# Allegro board WNS_FDM_2V1-1221P2.brd (continued)
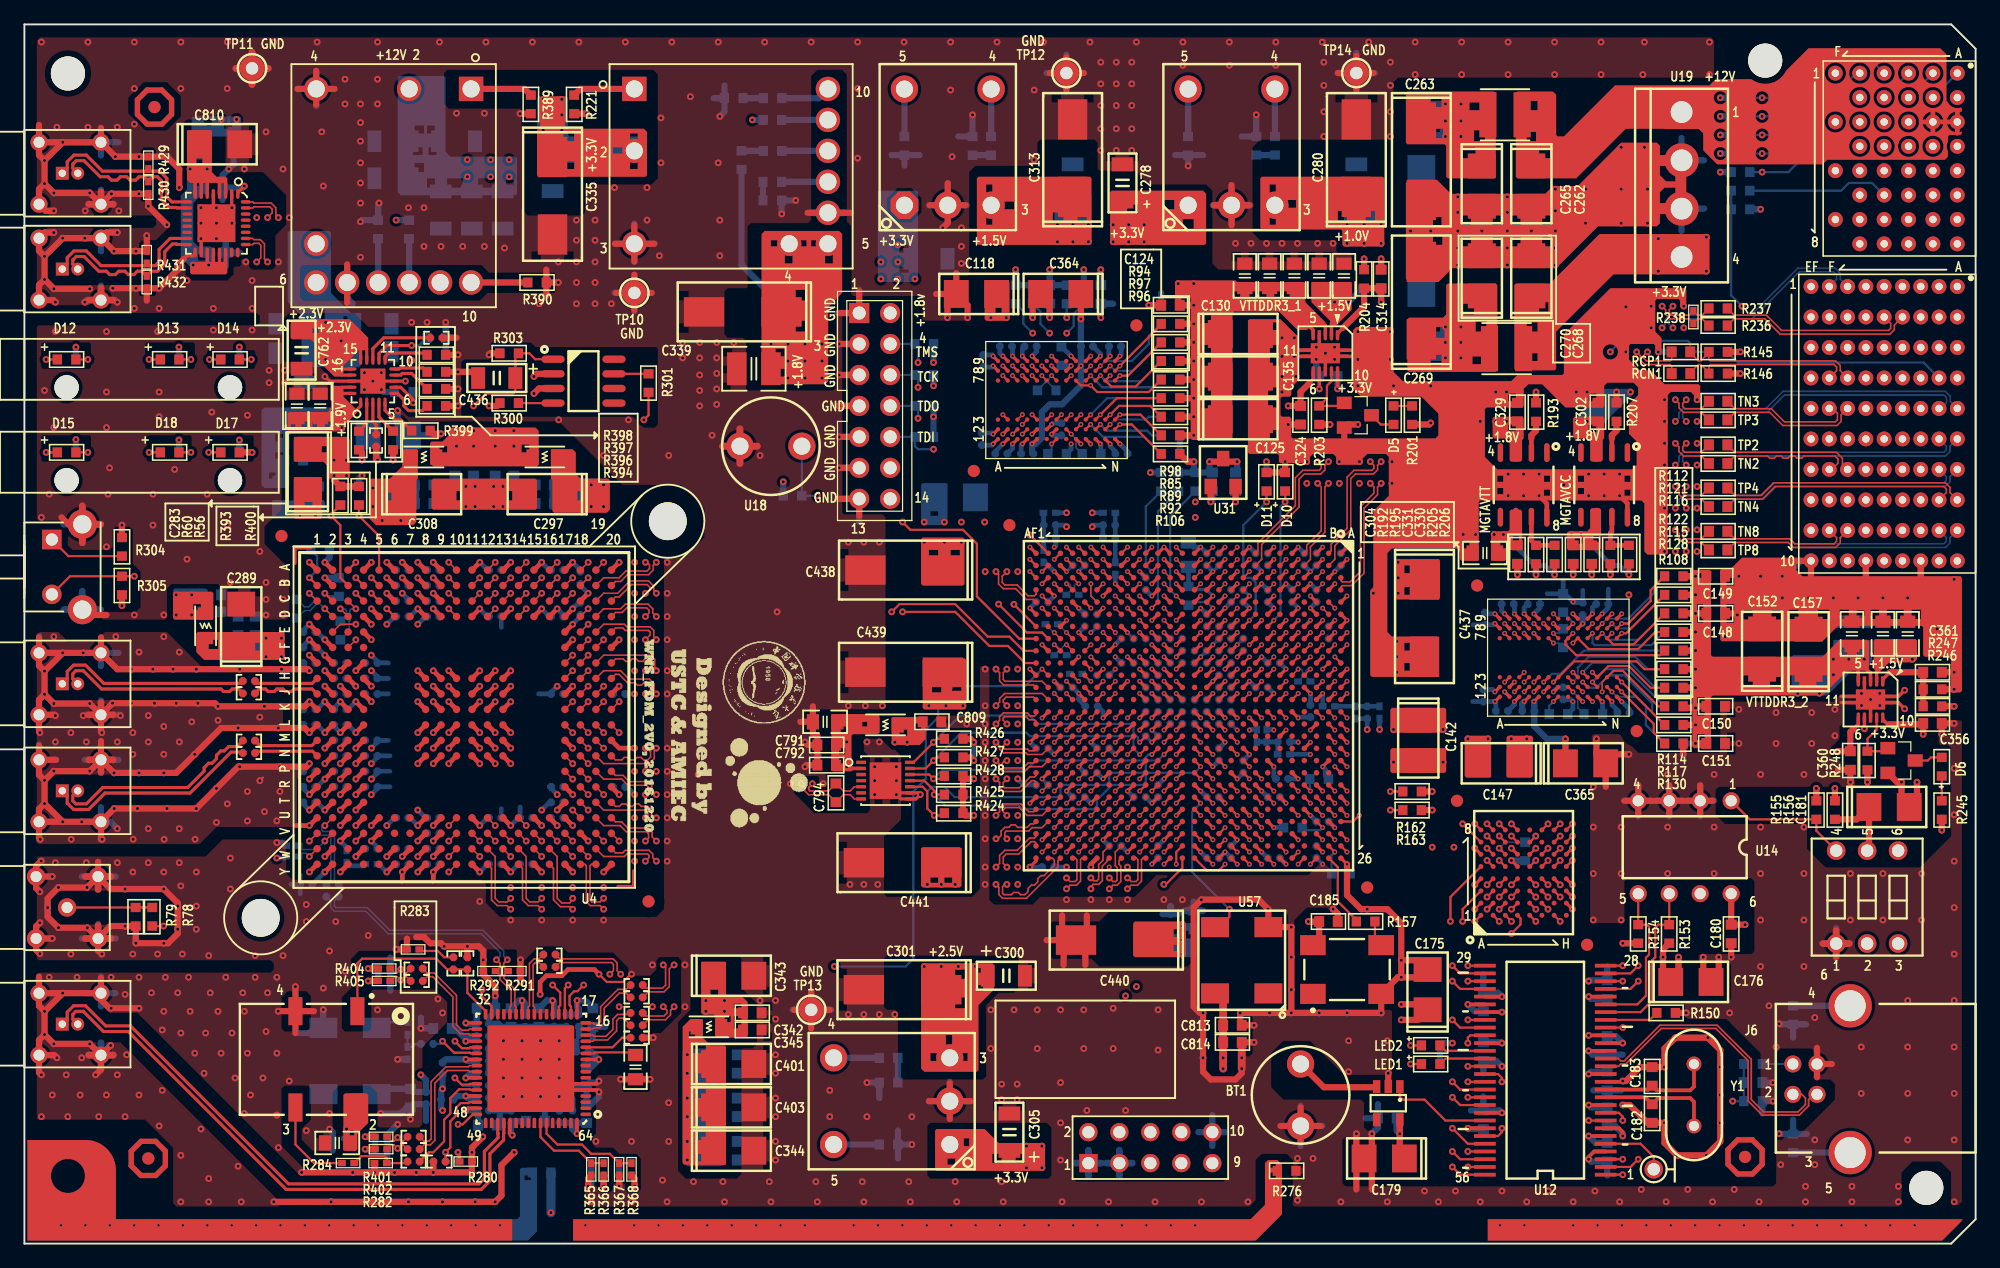
[diagram p0: board, top side]
## Routing (per net, layer and track width the routed paths; a pad name or vN(x,y) marks a point on that pad's centre or on a via; arc(x,y) is an arc through that point) (continued)
DQD_N3: length 73.5
  TOP w0.124: v2(90.45,29.99) 90.75,29.7 91.15,29.7 91.3,29.85 91.3,31.5 91.18,31.62 U15.V26 ; v2(39.88,28.32) 39.58,28.03 38.9,28.03 38.61,28.32 38.61,31.75 U4.W12
  ART03 w0.109: v2(90.45,29.99) 90.24,29.78 89.83,29.78 89.53,29.48 89.53,25.53 88.46,24.45 88.46,22.21 88.22,21.97 87.79,21.97 87.57,22.19 87.57,22.59 87.17,22.99 86.6,22.99 86.2,22.59 86.2,22.19 85.98,21.97 85.68,21.97 85.46,22.19 85.46,22.59 85.06,22.99 84.49,22.99 84.09,22.59 84.09,22.19 83.87,21.97 83.23,21.97 82.99,22.21 82.99,23.5 82.55,23.93 47.37,23.93 45.6,25.71 41.51,25.71 41.15,26.08 41.15,27.81 40.79,28.17 40.03,28.17 v2(39.88,28.32)
DQD_N4: length 73.7
  TOP w0.124: U15.W21 v1(89.45,36.12) ; U4.U12 v2(38.61,34.29)
  ART10 w0.102: v1(89.45,36.12) 89.81,36.12 89.92,36.02 89.92,35.82 89.81,35.72 89.12,35.72 88.85,35.45 88.85,32.87 88.8,32.82 88.8,32.79
  ART10 w0.109: v2(38.61,34.29) 38.61,33.76 38.72,33.66 39.11,33.66 39.4,33.36 39.4,32.8 39.66,32.54 40.74,32.54 41.78,31.5 41.78,26.35 42.35,25.78 42.87,25.78 43.05,25.97 43.05,26.35 43.37,26.67 44,26.67 44.32,26.35 44.32,25.97 44.51,25.78 45.47,25.78 45.66,25.97 45.66,26.35 45.98,26.67 46.61,26.67 46.93,26.35 46.93,25.97 47.12,25.78 87.06,25.78 87.32,26.04 87.32,26.79 87.12,26.99 86.67,26.99 86.3,27.36 86.3,31.12 86.87,31.68 88.01,31.68 88.8,32.47 88.8,32.79
DQD_N5: length 73.5
  TOP w0.124: 39.24,33.66 v2(39.88,33.02) ; U15.W24 v1(89.45,33.12)
  ART08 w0.102: v1(89.45,33.12) 89.45,33.55 89.55,33.65 89.75,33.65 89.85,33.55 89.85,32.86 89.8,32.8 89.8,32.78
  ART08 w0.109: 89.8,32.78 89.8,32.62 89.58,32.4 89.58,23.41 89.21,23.05 88,23.05 87.79,23.26 87.79,23.86 87.38,24.26 86.82,24.26 86.42,23.86 86.42,23.26 86.2,23.05 85.89,23.05 85.67,23.26 85.67,23.86 85.27,24.26 84.7,24.26 84.3,23.86 84.3,23.26 84.08,23.05 79.12,23.05 78.99,23.17 78.99,23.43 78.62,23.81 47.63,23.81 46.36,25.08 42.74,25.08 40.77,27.05 40.77,31.97 40.47,32.26 40.01,32.26 39.88,32.38 v2(39.88,33.02)
DQD_N6: length 73.7
  TOP w0.124: U4.W14 41.15,31.75 41.15,28.32 41.44,28.03 42.12,28.03 v2(42.42,28.32) ; U15.V22 v1(90.45,35.12)
  ART08 w0.102: 88.8,32.66 88.8,32.69 88.85,32.74 88.85,34.38 89.2,34.72 90.63,34.72 90.73,34.82 90.73,35.02 90.63,35.12 v1(90.45,35.12)
  ART08 w0.109: 88.8,32.66 88.8,32.51 88.08,31.79 88.08,26.36 87.05,25.33 83.31,25.33 82.9,24.92 82.9,24.15 82.68,23.93 82.37,23.93 82.15,24.15 82.15,24.8 81.75,25.2 81.19,25.2 80.79,24.8 80.79,24.15 80.57,23.93 80.26,23.93 80.04,24.15 80.04,24.3 79.64,24.7 54.51,24.7 54.29,24.91 54.29,25.38 53.89,25.78 53.32,25.78 52.92,25.38 52.92,24.91 52.7,24.7 52.39,24.7 52.17,24.91 52.17,25.38 51.77,25.78 51.21,25.78 50.81,25.38 50.81,24.91 50.59,24.7 50.28,24.7 50.06,24.91 50.06,25.38 49.66,25.78 49.09,25.78 48.69,25.38 48.69,24.91 48.47,24.7 48.16,24.7 47.94,24.91 47.94,25.52 47.5,25.97 44.33,25.97 43.69,26.6 43.69,27.75 43.31,28.13 42.61,28.13 v2(42.42,28.32)
DQD_N7: length 73.6
  TOP w0.124: U4.U14 v2(41.15,34.29) ; U15.AB25 v1(86.45,32.12)
  ART08 w0.109: v2(41.15,34.29) 41.15,33.66 41.27,33.53 41.65,33.53 41.94,33.24 41.94,32.54 41.71,32.32 41.71,30.42 42.13,30 48.14,30 48.57,29.56 48.57,26.8 48.7,26.67 54.74,26.67 55.14,26.27 55.14,25.8 55.36,25.59 55.67,25.59 55.89,25.8 55.89,26.27 56.29,26.67 56.86,26.67 57.26,26.27 57.26,25.8 57.47,25.59 57.78,25.59 58,25.8 58,26.27 58.4,26.67 58.97,26.67 59.37,26.27 59.37,25.8 59.59,25.59 59.9,25.59 60.11,25.8 60.11,26.27 60.52,26.67 61.08,26.67 61.48,26.27 61.48,25.8 61.7,25.59 62.01,25.59 62.23,25.8 62.23,26.27 62.63,26.67 63.2,26.67 63.6,26.27 63.6,25.8 63.81,25.59 64.12,25.59 64.34,25.8 64.34,26.27 64.74,26.67 65.31,26.67 65.71,26.27 65.71,25.8 65.93,25.59 66.24,25.59 66.45,25.8 66.45,26.27 66.86,26.67 67.42,26.67 67.82,26.27 67.82,25.8 68.04,25.59 68.35,25.59 68.57,25.8 68.57,26.27 68.97,26.67 69.54,26.67 69.94,26.27 69.94,25.8 70.15,25.59 70.46,25.59 70.68,25.8 70.68,26.27 71.08,26.67 71.65,26.67 72.05,26.27 72.05,25.8 72.27,25.59 72.58,25.59 72.79,25.8 72.79,26.27 73.2,26.67 73.76,26.67 74.16,26.27 74.16,25.8 74.38,25.59 80.26,25.59 81.22,26.54 85.6,26.54 86.43,27.37 86.43,31.37 86.8,31.74 86.8,32.01 86.69,32.12 v1(86.45,32.12)
DQD_N8: length 73.7
  TOP w0.124: U4.V15 v2(42.42,33.02) ; U15.AC26 86.18,31.62 86.3,31.5 86.3,29.85 86.15,29.7 85.75,29.7 v2(85.45,29.99)
  ART03 w0.109: v2(85.45,29.99) 85.16,29.7 84.69,29.7 82.74,27.74 60.28,27.74 60.06,27.96 60.06,30.08 59.66,30.48 59.09,30.48 58.69,30.08 58.69,27.96 58.47,27.74 58.16,27.74 57.94,27.96 57.94,30.08 57.54,30.48 56.98,30.48 56.58,30.08 56.58,27.96 56.36,27.74 56.05,27.74 55.83,27.96 55.83,30.08 55.43,30.48 54.86,30.48 54.46,30.08 54.46,27.96 54.24,27.74 53.94,27.74 53.72,27.96 53.72,30.08 53.32,30.48 52.75,30.48 52.35,30.08 52.35,27.96 52.13,27.74 51.82,27.74 51.57,27.99 51.57,30.15 51.2,30.52 50.59,30.52 50.23,30.17 50.23,29.09 50.04,28.89 49.66,28.89 49.49,29.05 49.49,30.83 49.05,31.27 44.2,31.27 43.08,32.38 42.55,32.38 42.42,32.51 v2(42.42,33.02)
DQD_N9: length 73.7
  TOP w0.124: U4.W16 43.69,31.75 43.69,28.32 44.07,27.94 44.7,27.94 44.96,28.19 v2(44.96,28.32) ; U15.Y26 88.76,31.43 88.76,31.43 88.76,31.33 88.39,30.97 88.39,29.77 88.09,29.46 87.63,29.46 87.45,29.29 v2(87.45,29.1)
  ART03 w0.109: v2(87.45,29.1) 87.45,29.13 87.06,29.53 86.68,29.53 86.55,29.4 86.55,27.63 86.74,27.43 87.12,27.43 87.5,27.05 87.5,25.91 87.12,25.53 86.36,25.53 85.96,25.93 85.96,26.31 85.78,26.48 85.54,26.48 85.34,26.29 85.34,25.91 84.96,25.53 84.33,25.53 83.93,25.93 83.93,26.31 83.75,26.48 83.51,26.48 83.31,26.29 83.31,25.91 82.93,25.53 82.3,25.53 81.9,25.93 81.9,26.31 81.72,26.48 81.48,26.48 81.28,26.29 81.28,25.91 80.9,25.53 80.26,25.53 79.87,25.93 79.87,26.31 79.69,26.48 79.44,26.48 79.25,26.29 79.25,25.91 78.87,25.53 78.23,25.53 77.83,25.93 77.83,26.31 77.66,26.48 77.41,26.48 77.22,26.29 77.22,25.91 76.83,25.53 76.33,25.53 75.95,25.91 75.95,26.23 75.76,26.42 75.5,26.42 75.31,26.23 75.31,25.85 74.95,25.49 74.4,25.49 74.04,25.85 74.04,26.23 73.85,26.42 50.55,26.42 50.16,26.8 50.16,27.43 49.97,27.63 49.66,27.63 49.49,27.45 49.49,26.75 49.15,26.42 48.58,26.42 48.22,26.77 48.22,29.47 48.01,29.69 44.35,29.69 44,29.33 44,28.07 44.2,27.87 44.64,27.87 44.96,28.19 v2(44.96,28.32)
DQD_N10: length 73.8
  TOP w0.124: U4.V16 v2(43.69,33.02) ; U15.AB24 v1(86.45,33.12)
  ART08 w0.102: 85.24,31.38 85.27,31.38 85.32,31.43 85.66,31.43 86.05,31.83 86.05,33.4 86.17,33.52 86.7,33.52 86.8,33.42 86.8,33.22 86.7,33.12 v1(86.45,33.12)
  ART08 w0.109: 85.24,31.38 84.91,31.38 84.58,31.05 84.58,27.63 84.22,27.27 83.55,27.27 83.15,27.67 83.15,28.17 82.93,28.39 82.63,28.39 82.41,28.17 82.41,27.67 82.01,27.27 81.44,27.27 81.04,27.67 81.04,28.17 80.82,28.39 80.51,28.39 80.29,28.17 80.29,26.52 79.89,26.12 79.33,26.12 78.92,26.52 78.92,27.16 78.71,27.37 78.4,27.37 78.18,27.16 78.18,26.52 77.78,26.12 77.21,26.12 76.81,26.52 76.81,27.16 76.59,27.37 76.29,27.37 76.07,27.16 76.07,26.48 75.71,26.12 75.16,26.12 74.8,26.48 74.8,27.12 74.55,27.37 53.72,27.37 53.32,27.77 53.32,29.95 53.1,30.17 52.79,30.17 52.57,29.95 52.57,27.77 52.17,27.37 51.6,27.37 51.2,27.77 51.2,29.95 50.99,30.17 50.68,30.17 50.46,29.95 50.46,27.77 50.06,27.37 49.53,27.37 49.15,27.75 49.15,30.04 48.13,31.06 46.93,31.06 46.72,30.85 45.48,30.85 45.37,30.96 44.57,30.96 44.07,31.46 44.07,32.64 v2(43.69,33.02)
DQD_N11: length 73.8
  TOP w0.124: U15.W26 89.76,31.42 89.76,31.11 89.9,30.97 89.9,29.7 89.6,29.4 89.26,29.4 v2(88.96,29.1) ; U4.Y19 46.5,31.11 46.38,30.99 46.38,28.17 46.52,28.03 47.2,28.03 v2(47.5,28.32)
  ART03 w0.109: v2(47.5,28.32) 47.21,28.03 46.38,28.03 45.97,27.62 45.97,26.29 46.79,25.47 47.68,25.47 47.87,25.28 47.87,24.97 48.26,24.58 48.83,24.58 49.23,24.98 49.23,25.25 49.45,25.47 49.76,25.47 49.97,25.25 49.97,24.98 50.38,24.58 50.94,24.58 51.34,24.98 51.34,25.25 51.56,25.47 51.87,25.47 52.09,25.25 52.09,24.98 52.49,24.58 53.06,24.58 53.46,24.98 53.46,25.25 53.67,25.47 53.98,25.47 54.2,25.25 54.2,24.98 54.6,24.58 55.17,24.58 55.57,24.98 55.57,25.25 55.79,25.47 56.1,25.47 56.31,25.25 56.31,24.98 56.71,24.58 57.28,24.58 57.68,24.98 57.68,25.25 57.9,25.47 58.21,25.47 58.43,25.25 58.43,24.98 58.83,24.58 59.4,24.58 59.8,24.98 59.8,25.25 60.01,25.47 60.32,25.47 60.54,25.25 60.54,24.98 60.94,24.58 61.51,24.58 61.91,24.98 61.91,25.25 62.13,25.47 62.44,25.47 62.65,25.25 62.65,24.98 63.05,24.58 63.62,24.58 64.02,24.98 64.02,25.25 64.24,25.47 64.55,25.47 64.77,25.25 64.77,24.98 65.17,24.58 65.74,24.58 66.14,24.98 66.14,25.25 66.35,25.47 66.66,25.47 66.88,25.25 66.88,24.98 67.28,24.58 67.85,24.58 68.25,24.98 68.25,25.25 68.47,25.47 68.78,25.47 68.99,25.25 68.99,24.98 69.39,24.58 69.96,24.58 70.36,24.98 70.36,25.25 70.58,25.47 70.89,25.47 71.11,25.25 71.11,24.98 71.51,24.58 72.07,24.58 72.48,24.98 72.48,25.25 72.69,25.47 73,25.47 73.22,25.25 73.22,24.98 73.62,24.58 83.17,24.58 83.39,24.36 83.39,24.15 83.79,23.75 84.36,23.75 84.76,24.15 84.76,24.36 84.98,24.58 85.29,24.58 85.5,24.36 85.5,24.15 85.91,23.75 86.47,23.75 86.87,24.15 86.87,24.36 87.09,24.58 87.51,24.58 88.39,25.47 88.39,29.26 88.52,29.39 88.67,29.39 v2(88.96,29.1)
DQD_P0: length 73.7
  TOP w0.124: v1(89.45,45.12) U15.Y13 ; U4.Y10 v2(34.8,30.48)
  ART03 w0.102: 82.8,35.84 82.8,35.86 82.85,35.92 82.85,36.4 83.17,36.72 85.71,36.72 85.85,36.86 85.85,38.48 86.09,38.72 88.63,38.72 88.85,38.94 88.85,39.45 89.12,39.72 90.65,39.72 90.85,39.92 90.85,44.37 89.7,45.52 89.55,45.52 89.45,45.42 v1(89.45,45.12)
  ART03 w0.109: 82.8,35.84 82.8,35.3 81.72,34.22 48.26,34.22 47.4,35.08 36.73,35.08 35.81,34.16 35.81,33.15 35.21,32.54 34.41,32.54 34.01,32.13 34.01,31.15 34.3,30.86 34.69,30.86 34.8,30.75 v2(34.8,30.48)
DQD_P1: length 73.7
  TOP w0.124: U15.U24 v1(91.45,33.12) ; U4.V10 v2(34.8,33.02)
  ART10 w0.102: 90.8,31.78 90.8,31.8 90.85,31.86 90.85,32.42 91.07,32.64 91.35,32.64 91.45,32.74 v1(91.45,33.12)
  ART10 w0.109: v2(34.8,33.02) 34.8,33.64 34.66,33.78 34.43,33.78 34.32,33.67 34.32,30.07 38.61,25.78 39.88,25.78 41.66,24 87.82,24 89.5,25.68 89.5,25.97 89.73,26.2 90.02,26.2 90.25,26.43 90.25,26.72 90.48,26.95 90.77,26.95 91,27.18 91,31.24 90.8,31.44 90.8,31.78
DQD_P2: length 73.7
  TOP w0.124: U15.V23 v1(90.45,34.12) ; 36.7,32.38 v2(37.34,31.75)
  ART10 w0.102: v1(90.45,34.12) 90.45,33.68 90.35,33.58 90.07,33.58 89.85,33.36 89.85,32.87 89.8,32.82 89.8,32.79
  ART10 w0.109: 89.8,32.79 89.8,32.64 89.58,32.42 89.58,27.69 89.38,27.49 88.64,27.49 88.27,27.11 88.27,25.71 87.44,24.89 42.04,24.89 40.89,26.03 40.89,29.59 40.48,30 38.58,30 38.17,29.59 38.17,29.28 37.97,29.08 37.02,29.08 36.2,29.91 36.2,32.26 36.45,32.51 37.47,32.51 37.59,32.38 37.59,32 v2(37.34,31.75)
DQD_P3: length 73.4
  TOP w0.124: v2(90.45,29.1) 90.75,29.4 91.27,29.4 91.6,29.73 91.6,31.5 91.73,31.62 U15.U26 ; U4.Y12 38.31,30.78 38.31,28.2 38.78,27.72 39.58,27.72 v2(39.88,27.43)
  ART03 w0.109: v2(39.88,27.43) 39.88,27.56 40.18,27.86 40.66,27.86 40.84,27.68 40.84,25.95 41.38,25.4 45.47,25.4 47.24,23.62 82.42,23.62 82.68,23.37 82.68,22.08 83.1,21.66 84,21.66 84.4,22.06 84.4,22.46 84.62,22.67 84.93,22.67 85.15,22.46 85.15,22.06 85.55,21.66 86.11,21.66 86.51,22.06 86.51,22.46 86.73,22.67 87.04,22.67 87.26,22.46 87.26,22.06 87.66,21.66 88.35,21.66 88.77,22.08 88.77,24.32 89.85,25.4 89.85,29.35 89.96,29.46 90.17,29.46 90.45,29.18 v2(90.45,29.1)
DQD_P4: length 73.8
  TOP w0.124: U15.V21 v1(90.45,36.12) ; U4.V12 v2(38.61,33.02)
  ART10 w0.102: v1(90.45,36.12) 90.22,36.12 90.12,36.02 90.12,35.74 89.9,35.52 89.2,35.52 89.05,35.37 89.05,32.87 89.11,32.82 89.11,32.79
  ART10 w0.109: v2(38.61,33.02) 38.61,33.23 38.72,33.34 38.98,33.34 39.09,33.23 39.09,32.67 39.53,32.23 40.61,32.23 41.47,31.37 41.47,26.22 42.22,25.47 42.99,25.47 43.37,25.84 43.37,26.22 43.5,26.36 43.87,26.36 44.01,26.22 44.01,25.84 44.38,25.47 45.6,25.47 45.97,25.84 45.97,26.22 46.11,26.36 46.48,26.36 46.62,26.22 46.62,25.84 46.99,25.47 87.19,25.47 87.63,25.91 87.63,26.92 87.25,27.3 86.8,27.3 86.61,27.49 86.61,30.99 87,31.37 88.14,31.37 89.11,32.34 89.11,32.79
DQD_P5: length 73.5
  TOP w0.124: U15.W23 v1(89.45,34.12) ; 39.24,32.38 v2(39.88,31.75)
  ART08 w0.102: v1(89.45,34.12) 89.45,33.93 89.53,33.85 89.83,33.85 90.05,33.63 90.05,32.86 90.11,32.8 90.11,32.78
  ART08 w0.109: 90.11,32.78 90.11,32.49 89.89,32.27 89.89,23.28 89.34,22.73 87.87,22.73 87.47,23.13 87.47,23.73 87.25,23.94 86.95,23.94 86.73,23.73 86.73,23.13 86.33,22.73 85.76,22.73 85.36,23.13 85.36,23.73 85.14,23.94 84.83,23.94 84.62,23.73 84.62,23.13 84.21,22.73 78.99,22.73 78.68,23.05 78.68,23.3 78.49,23.5 47.5,23.5 46.23,24.77 42.61,24.77 40.45,26.92 40.45,31.84 40.35,31.95 40.07,31.95 v2(39.88,31.75)
DQD_P6: length 73.7
  TOP w0.124: U15.U22 v1(91.45,35.12) ; U4.Y14 40.85,30.78 40.85,28.2 41.32,27.72 42.12,27.72 v2(42.42,27.43)
  ART08 w0.102: v1(91.45,35.12) 91.03,35.12 90.93,35.02 90.93,34.74 90.71,34.52 89.28,34.52 89.05,34.29 89.05,32.74 89.11,32.69 89.11,32.66
  ART08 w0.109: 89.11,32.66 89.11,32.38 88.39,31.66 88.39,26.23 87.18,25.02 83.44,25.02 83.21,24.79 83.21,24.02 82.81,23.62 82.24,23.62 81.84,24.02 81.84,24.67 81.62,24.89 81.32,24.89 81.1,24.67 81.1,24.02 80.7,23.62 80.13,23.62 79.73,24.02 79.73,24.17 79.51,24.38 54.38,24.38 53.98,24.78 53.98,25.25 53.76,25.47 53.45,25.47 53.23,25.25 53.23,24.78 52.83,24.38 52.26,24.38 51.86,24.78 51.86,25.25 51.64,25.47 51.34,25.47 51.12,25.25 51.12,24.78 50.72,24.38 50.15,24.38 49.74,24.78 49.74,25.25 49.53,25.47 49.22,25.47 49,25.25 49,24.78 48.6,24.38 48.03,24.38 47.63,24.78 47.63,25.39 47.37,25.65 44.2,25.65 43.38,26.47 43.38,27.62 43.18,27.81 42.67,27.81 42.42,27.56 v2(42.42,27.43)
DQD_P7: length 73.5
  TOP w0.124: U15.AA25 v1(87.45,32.12) ; U4.V14 v2(41.15,33.02)
  ART08 w0.109: v2(41.15,33.02) 41.34,33.22 41.52,33.22 41.63,33.11 41.63,32.67 41.4,32.45 41.4,30.29 42.01,29.69 48.01,29.69 48.26,29.43 48.26,26.67 48.57,26.36 54.61,26.36 54.83,26.14 54.83,25.67 55.23,25.27 55.8,25.27 56.2,25.67 56.2,26.14 56.42,26.36 56.73,26.36 56.94,26.14 56.94,25.67 57.35,25.27 57.91,25.27 58.31,25.67 58.31,26.14 58.53,26.36 58.84,26.36 59.06,26.14 59.06,25.67 59.46,25.27 60.03,25.27 60.43,25.67 60.43,26.14 60.64,26.36 60.95,26.36 61.17,26.14 61.17,25.67 61.57,25.27 62.14,25.27 62.54,25.67 62.54,26.14 62.76,26.36 63.07,26.36 63.28,26.14 63.28,25.67 63.69,25.27 64.25,25.27 64.65,25.67 64.65,26.14 64.87,26.36 65.18,26.36 65.4,26.14 65.4,25.67 65.8,25.27 66.37,25.27 66.77,25.67 66.77,26.14 66.98,26.36 67.29,26.36 67.51,26.14 67.51,25.67 67.91,25.27 68.48,25.27 68.88,25.67 68.88,26.14 69.1,26.36 69.41,26.36 69.62,26.14 69.62,25.67 70.03,25.27 70.59,25.27 70.99,25.67 70.99,26.14 71.21,26.36 71.52,26.36 71.74,26.14 71.74,25.67 72.14,25.27 72.71,25.27 73.11,25.67 73.11,26.14 73.32,26.36 73.63,26.36 73.85,26.14 73.85,25.67 74.25,25.27 80.39,25.27 81.35,26.23 85.73,26.23 86.74,27.24 86.74,31.24 87.11,31.61 87.11,32.01 87.22,32.12 v1(87.45,32.12)
DQD_P8: length 73.8
  TOP w0.124: U15.AB26 86.73,31.62 86.6,31.5 86.6,29.73 86.27,29.4 85.75,29.4 v2(85.45,29.1) ; U4.W15 v2(42.42,31.75)
  ART03 w0.109: v2(85.45,29.1) 85.16,29.39 84.82,29.39 82.86,27.43 60.15,27.43 59.75,27.83 59.75,29.95 59.53,30.17 59.22,30.17 59,29.95 59,27.83 58.6,27.43 58.03,27.43 57.63,27.83 57.63,29.95 57.41,30.17 57.11,30.17 56.89,29.95 56.89,27.83 56.49,27.43 55.92,27.43 55.52,27.83 55.52,29.95 55.3,30.17 54.99,30.17 54.77,29.95 54.77,27.83 54.37,27.43 53.81,27.43 53.41,27.83 53.41,29.95 53.19,30.17 52.88,30.17 52.66,29.95 52.66,27.83 52.26,27.43 51.69,27.43 51.26,27.86 51.26,30.02 51.07,30.21 50.72,30.21 50.55,30.04 50.55,28.96 50.16,28.57 49.53,28.57 49.18,28.92 49.18,30.7 48.92,30.96 44.07,30.96 42.96,32.07 42.74,32.07 v2(42.42,31.75)
DQD_P9: length 73.8
  TOP w0.124: U15.Y25 88.45,32.12 88.45,31.46 88.09,31.09 88.09,29.89 87.97,29.77 87.68,29.77 v2(87.45,29.99) ; v2(44.96,27.43) 44.75,27.64 43.94,27.64 43.39,28.2 43.39,30.78 U4.Y16
  ART03 w0.109: v2(87.45,29.99) 87.3,29.84 86.55,29.84 86.23,29.52 86.23,27.5 86.61,27.12 86.99,27.12 87.19,26.92 87.19,26.04 86.99,25.84 86.49,25.84 86.27,26.05 86.27,26.44 85.91,26.8 85.41,26.8 85.03,26.42 85.03,26.04 84.83,25.84 84.46,25.84 84.24,26.05 84.24,26.44 83.88,26.8 83.38,26.8 83,26.42 83,26.04 82.8,25.84 82.43,25.84 82.21,26.05 82.21,26.44 81.85,26.8 81.35,26.8 80.97,26.42 80.97,26.04 80.77,25.84 80.39,25.84 80.18,26.05 80.18,26.44 79.82,26.8 79.31,26.8 78.94,26.42 78.94,26.04 78.74,25.84 78.36,25.84 78.15,26.05 78.15,26.44 77.78,26.8 77.28,26.8 76.9,26.42 76.9,26.04 76.71,25.84 76.46,25.84 76.26,26.04 76.26,26.36 75.89,26.73 75.37,26.73 75,26.36 75,25.98 74.82,25.8 74.53,25.8 74.35,25.98 74.35,26.36 73.98,26.73 50.68,26.73 50.48,26.93 50.48,27.56 50.1,27.94 49.53,27.94 49.17,27.58 49.17,26.88 49.02,26.73 48.71,26.73 48.53,26.9 48.53,29.6 48.14,30 44.23,30 43.69,29.46 43.69,27.94 44.07,27.56 44.83,27.56 v2(44.96,27.43)
DQD_P10: length 73.7
  TOP w0.124: U4.W17 v2(44.96,31.75) ; U15.AA23 v1(87.45,34.12)
  ART08 w0.102: v1(87.45,34.12) 87.05,33.72 86.08,33.72 85.85,33.49 85.85,31.91 85.58,31.64 85.32,31.64 85.27,31.69 85.24,31.69
  ART08 w0.109: 85.24,31.69 84.78,31.69 84.27,31.18 84.27,27.75 84.09,27.58 83.68,27.58 83.46,27.8 83.46,28.3 83.06,28.7 82.5,28.7 82.09,28.3 82.09,27.8 81.88,27.58 81.57,27.58 81.35,27.8 81.35,28.3 80.95,28.7 80.38,28.7 79.98,28.3 79.98,26.65 79.76,26.44 79.46,26.44 79.24,26.65 79.24,27.29 78.84,27.69 78.27,27.69 77.87,27.29 77.87,26.65 77.65,26.44 77.34,26.44 77.12,26.65 77.12,27.29 76.72,27.69 76.16,27.69 75.76,27.29 75.76,26.61 75.59,26.44 75.29,26.44 75.12,26.61 75.12,27.25 74.68,27.69 53.85,27.69 53.63,27.9 53.63,30.08 53.23,30.48 52.66,30.48 52.26,30.08 52.26,27.9 52.04,27.69 51.73,27.69 51.52,27.9 51.52,30.08 51.12,30.48 50.55,30.48 50.15,30.08 50.15,27.9 49.93,27.69 49.66,27.69 49.46,27.88 49.46,30.17 48.26,31.37 46.8,31.37 46.6,31.16 45.61,31.16 45.5,31.27 44.7,31.27 44.38,31.59 44.38,32.28 44.49,32.38 44.85,32.38 44.96,32.28 v2(44.96,31.75)
DQD_P11: length 73.9
  TOP w0.124: v2(88.96,29.99) 89.26,29.7 89.48,29.7 89.6,29.82 89.6,30.84 89.45,30.99 89.45,32.12 U15.W25 ; v2(47.5,27.43) 47.2,27.72 46.4,27.72 46.08,28.04 46.08,30.99 45.95,31.11 U4.Y18
  ART03 w0.109: v2(88.96,29.99) 88.67,29.7 88.39,29.7 88.08,29.39 88.08,25.6 87.38,24.89 86.96,24.89 86.56,24.49 86.56,24.28 86.34,24.06 86.04,24.06 85.82,24.28 85.82,24.49 85.42,24.89 84.85,24.89 84.45,24.49 84.45,24.28 84.23,24.06 83.92,24.06 83.7,24.28 83.7,24.49 83.3,24.89 73.75,24.89 73.53,25.11 73.53,25.38 73.13,25.78 72.56,25.78 72.16,25.38 72.16,25.11 71.95,24.89 71.64,24.89 71.42,25.11 71.42,25.38 71.02,25.78 70.45,25.78 70.05,25.38 70.05,25.11 69.83,24.89 69.52,24.89 69.31,25.11 69.31,25.38 68.9,25.78 68.34,25.78 67.94,25.38 67.94,25.11 67.72,24.89 67.41,24.89 67.19,25.11 67.19,25.38 66.79,25.78 66.22,25.78 65.82,25.38 65.82,25.11 65.61,24.89 65.3,24.89 65.08,25.11 65.08,25.38 64.68,25.78 64.11,25.78 63.71,25.38 63.71,25.11 63.49,24.89 63.18,24.89 62.97,25.11 62.97,25.38 62.57,25.78 62,25.78 61.6,25.38 61.6,25.11 61.38,24.89 61.07,24.89 60.85,25.11 60.85,25.38 60.45,25.78 59.88,25.78 59.48,25.38 59.48,25.11 59.27,24.89 58.96,24.89 58.74,25.11 58.74,25.38 58.34,25.78 57.77,25.78 57.37,25.38 57.37,25.11 57.15,24.89 56.84,24.89 56.63,25.11 56.63,25.38 56.23,25.78 55.66,25.78 55.26,25.38 55.26,25.11 55.04,24.89 54.73,24.89 54.51,25.11 54.51,25.38 54.11,25.78 53.54,25.78 53.14,25.38 53.14,25.11 52.93,24.89 52.62,24.89 52.4,25.11 52.4,25.38 52,25.78 51.43,25.78 51.03,25.38 51.03,25.11 50.81,24.89 50.5,24.89 50.29,25.11 50.29,25.38 49.89,25.78 49.32,25.78 48.92,25.38 48.92,25.11 48.7,24.89 48.39,24.89 48.18,25.1 48.18,25.41 47.81,25.78 46.92,25.78 46.29,26.42 46.29,27.49 46.51,27.72 47.21,27.72 v2(47.5,27.43)
ESD_S1:
  vias: v1(3,1.5) v1(5,1.5) v1(7,1.5) v1(9,1.5) v1(11,1.5) v1(13,1.5) v1(15,1.5) v1(17,1.5) v1(19,1.5) v1(21,1.5) v1(23,1.5) v1(25,1.5) v1(27,1.5) v1(29,1.5) v1(31,1.5) v1(33,1.5) v1(35,1.5) v1(37,1.5) v1(39,1.5) v3(3.57,5.55)
ESD_S2: length 83.6
  ART03 w0.508: v2(43.18,2.54) 43.43,2.29 122.21,2.29 v1(123,1.5)
  BOTTOM w0.762: R277.2 v2(43.18,2.54)
  vias: v1(121,1.5) v1(127,1.5) v1(129,1.5) v1(131,1.5) v1(133,1.5) v1(135,1.5) v1(137,1.5) v1(139,1.5) v1(141,1.5) v1(143,1.5) v1(145,1.5) v1(147,1.5) v1(149,1.5) v1(151,1.5) v1(153,1.5) v1(155,1.5)
ESD_S3:
  vias: v1(46,1.5) v1(50,1.5) v1(52,1.5) v1(54,1.5) v1(56,1.5) v1(58,1.5) v1(60,1.5) v1(62,1.5) v1(64,1.5) v1(68,1.5) v1(70,1.5) v1(72,1.5) v1(74,1.5) v1(76,1.5) v1(78,1.5) v1(80,1.5) v1(82,1.5) v1(84,1.5) v1(86,1.5) v1(88,1.5) v1(90,1.5) v1(92,1.5) v1(94,1.5) v1(96,1.5)
FCS_B: length 19.9
  TOP w0.178: U15.C23 v1(106.45,34.12) ; U17.B4 v2(119.94,29.43)
  ART03 w0.119: v1(106.45,34.12) 106.45,33.88 106.93,33.4 106.93,32.89 107.19,32.64 107.7,32.64 107.95,32.38 107.95,31.88 108.2,31.62 112.14,31.62 114.94,28.83 119.13,28.83 119.73,29.43 v2(119.94,29.43)
  BOTTOM w0.178: R160.1 104.99,33.91 106.24,33.91 v1(106.45,34.12)
FD0: length 49.4
  TOP w0.178: U12.25 131.7,20.89 v2(132.33,21.53) ; U15.N19 v1(96.45,38.12)
  ART08 w0.119: v2(132.33,21.53) 131.7,22.16 131.7,22.99 131.32,23.37 130.3,23.37 129.54,24.13 117.11,24.13 113.17,28.07 108.08,28.07 106.68,29.46 105.28,29.46 103.97,30.78 103.97,31.29 103.63,31.62 101.22,31.62 100.97,31.88 100.97,32.38 100.71,32.64 100.2,32.64 99.95,32.89 99.95,33.4 99.73,33.62 99.23,33.62 98.93,33.91 98.93,34.42 98.75,34.6 98.24,34.6 97.98,34.86 97.98,35.37 97.71,35.64 97.24,35.64 96.94,35.94 96.94,37.63 v1(96.45,38.12)
FD1: length 38.5
  TOP w0.178: U12.26 v2(131.06,21.53) ; U15.K25 v1(99.45,32.12)
  ART08 w0.119: v2(131.06,21.53) 129.22,23.37 116.68,23.37 113.63,26.42 107.15,26.42 103.34,30.23 100.58,30.23 99.95,30.86 99.95,31.37 99.45,31.86 v1(99.45,32.12)
FD2: length 45.6
  TOP w0.178: v2(132.33,22.8) 131.7,22.16 U12.27 ; U15.M21 v1(97.45,36.12)
  ART08 w0.119: v2(132.33,22.8) 132.33,23.11 131.57,23.88 130.43,23.88 129.79,24.51 117.27,24.51 113.33,28.45 108.2,28.45 106.68,29.97 105.79,29.97 104.98,30.78 104.98,31.29 104.65,31.62 104.14,31.62 103.96,31.81 103.96,32.31 103.66,32.61 101.25,32.61 100.97,32.89 100.97,33.4 100.77,33.59 100.26,33.59 99.95,33.91 99.95,34.42 99.75,34.61 99.25,34.61 98.93,34.92 98.93,35.31 98.63,35.61 98.25,35.61 97.74,36.12 v1(97.45,36.12)
FD3: length 39.7
  TOP w0.178: U12.28 v2(131.06,22.8) ; U15.L25 v1(98.45,33.12)
  ART08 w0.119: v2(131.06,22.8) 130.37,22.8 129.41,23.75 116.84,23.75 113.79,26.8 108.84,26.8 106.68,28.95 105.15,28.95 103.5,30.61 101.09,30.61 100.97,30.73 100.97,31.37 100.71,31.62 100.2,31.62 99.95,31.88 99.95,32.38 99.69,32.64 99.19,32.64 98.71,33.12 v1(98.45,33.12)
FD4: length 29.6
  TOP w0.178: U12.29 v2(118.36,22.8) ; U15.L24 v1(98.45,34.12)
  ART08 w0.119: v2(118.36,22.8) 117.79,22.23 116.71,22.23 113.28,25.65 106.84,25.65 103.03,29.46 100.2,29.46 98.93,30.73 98.93,32.38 98.68,32.64 98.17,32.64 97.97,32.84 97.97,33.64 v1(98.45,34.12)
FD5: length 24.9
  TOP w0.178: U15.K26 v1(99.45,31.12) ; v2(117.09,22.8) 117.73,22.16 U12.30
  ART08 w0.119: v2(117.09,22.8) 116.65,22.8 113.41,26.04 107,26.04 103.19,29.84 100.46,29.84 99.45,30.85 v1(99.45,31.12)
FD6: length 35.4
  TOP w0.178: U15.N16 v1(96.45,41.12) ; U12.31 v2(118.36,21.53)
  ART03 w0.119: v1(96.45,41.12) 97.44,41.12 98.93,39.62 98.93,37.85 99.19,37.59 99.69,37.59 99.95,37.34 99.95,36.83 101.18,35.6 101.69,35.6 103.12,34.16 103.12,33.15 103.96,32.31 103.96,31.81 104.14,31.62 104.65,31.62 104.98,31.29 104.98,30.91 106.68,29.21 112.01,29.21 117.73,23.5 117.73,22.16 v2(118.36,21.53)
FD7: length 35.4
  TOP w0.178: v2(117.09,21.53) 117.73,20.89 U12.32 ; U15.N17 v1(96.45,40.12)
  ART03 w0.119: v2(117.09,21.53) 116.46,22.16 116.46,24.13 111.76,28.83 106.5,28.83 104.84,30.48 104.39,30.48 103.96,30.91 103.96,31.29 103.63,31.62 103.12,31.62 102.74,32 102.74,33.02 101.98,33.78 101.98,34.29 101.68,34.59 101.3,34.59 100.97,34.92 100.97,35.31 100.58,35.69 100.08,35.69 98.93,36.83 98.93,37.34 97.97,38.3 97.97,39.32 97.66,39.62 97.28,39.62 96.79,40.12 v1(96.45,40.12)
FD8: length 47.3
  TOP w0.178: U15.N24 v1(96.45,33.12) ; v2(117.09,9.46) 118.36,8.19 U12.52
  ART08 w0.119: v2(117.09,9.46) 116.9,9.65 113.41,9.65 109.86,13.21 97.16,13.21 95.5,14.86 95.5,26.42 97.16,28.07 97.16,28.57 96.27,29.46 96.27,31.62 96.01,31.88 96.01,32.68 v1(96.45,33.12)
FD9: length 50.9
  TOP w0.178: U15.N22 v1(96.45,35.12) ; U12.53 v2(118.36,7.56)
  ART08 w0.119: v1(96.45,35.12) 96.01,34.68 96.01,33.15 95.76,32.89 95.76,31.62 95.86,31.52 95.86,27.79 94.23,26.16 94.23,23.5 95.12,22.61 95.12,14.61 96.9,12.83 109.35,12.83 112.14,10.03 112.14,8.76 112.78,8.13 117.79,8.13 v2(118.36,7.56)
FD10: length 55.9
  TOP w0.178: v2(117.09,7.56) 117.73,6.92 U12.54 ; U15.T20 v1(92.45,37.12)
  ART08 w0.119: v1(92.45,37.12) 92.67,37.12 93.16,36.63 94.81,36.63 95.76,35.69 95.76,33.4 95.5,33.15 95.5,27.94 93.85,26.29 93.85,23.24 94.74,22.35 94.74,14.35 96.65,12.45 108.97,12.45 111.63,9.78 111.63,8.57 112.65,7.56 v2(117.09,7.56)
FD11: length 53.9
  TOP w0.178: U15.P21 v1(94.45,36.12) ; U12.55 v2(118.36,6.29)
  ART08 w0.119: v1(94.45,36.12) 94.69,36.12 95.47,35.34 95.47,33.55 95.17,33.26 95.17,30.53 94.36,29.72 94.36,27.81 93.47,26.92 93.47,22.99 94.36,22.1 94.36,14.1 96.39,12.06 108.58,12.06 111.12,9.53 111.12,8.26 112.52,6.86 117.79,6.86 v2(118.36,6.29)
FD12: length 55.1
  TOP w0.178: U12.56 117.73,5.65 v2(117.09,6.29) ; U15.R21 v1(93.45,36.12)
  ART08 w0.119: v2(117.09,6.29) 112.01,6.29 109.86,8.45 109.86,9.4 107.57,11.68 96.14,11.68 93.98,13.84 93.98,21.97 93.09,22.86 93.09,27.08 93.98,27.97 93.98,29.97 94.87,30.86 94.87,33.4 95.19,33.72 95.19,35.12 94.68,35.62 94.17,35.62 93.67,36.12 v1(93.45,36.12)
FD13: length 67.8
  TOP w0.178: U12.1 v2(131.06,5.65) ; U15.T22 v1(92.45,35.12)
  ART08 w0.119: v1(92.45,35.12) 92.96,34.61 92.96,33.91 92.67,33.61 92.29,33.61 91.95,33.27 91.95,13.08 94.49,10.54 99.95,10.54 102.87,7.62 107.19,7.62 109.86,4.95 130.37,4.95 v2(131.06,5.65)